# Altium PCB PCB1.PcbDoc
Units mm, origin at the board's own origin, x right, y up, seen from the top; angles counter-clockwise.
Board outline 46 x 80 mm, 2 copper layers (Top Layer, Bottom Layer); 9 components, 3 nets, 65 pads, 0 vias.
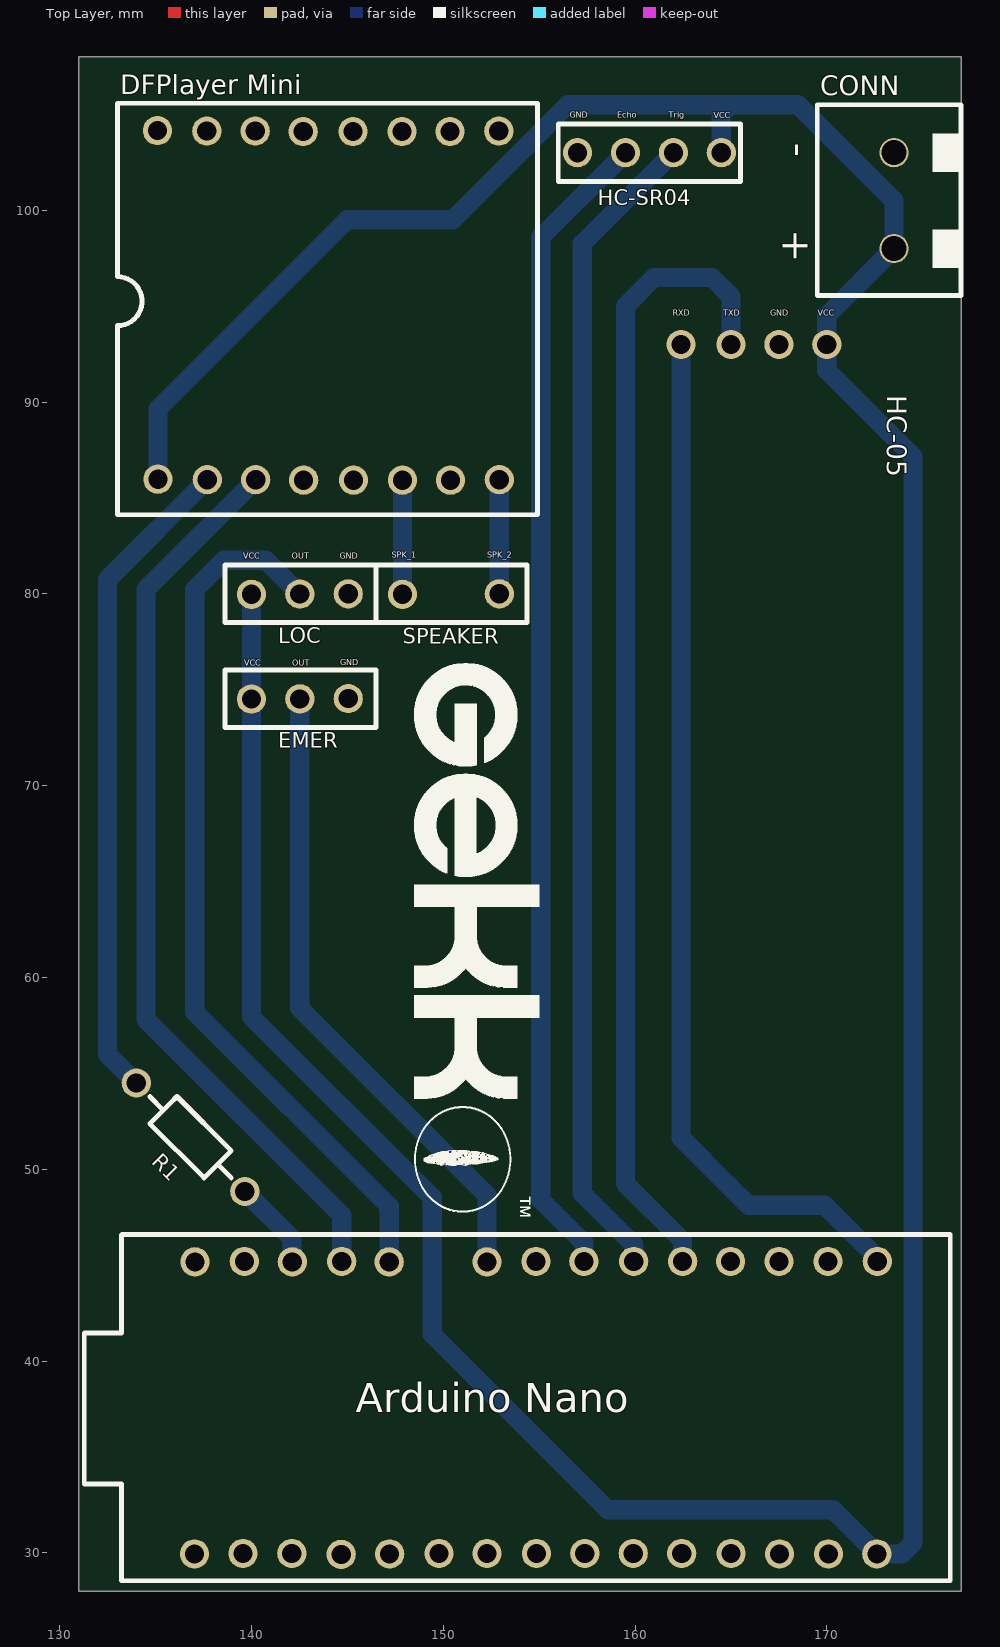
[diagram p0: Top Layer view]
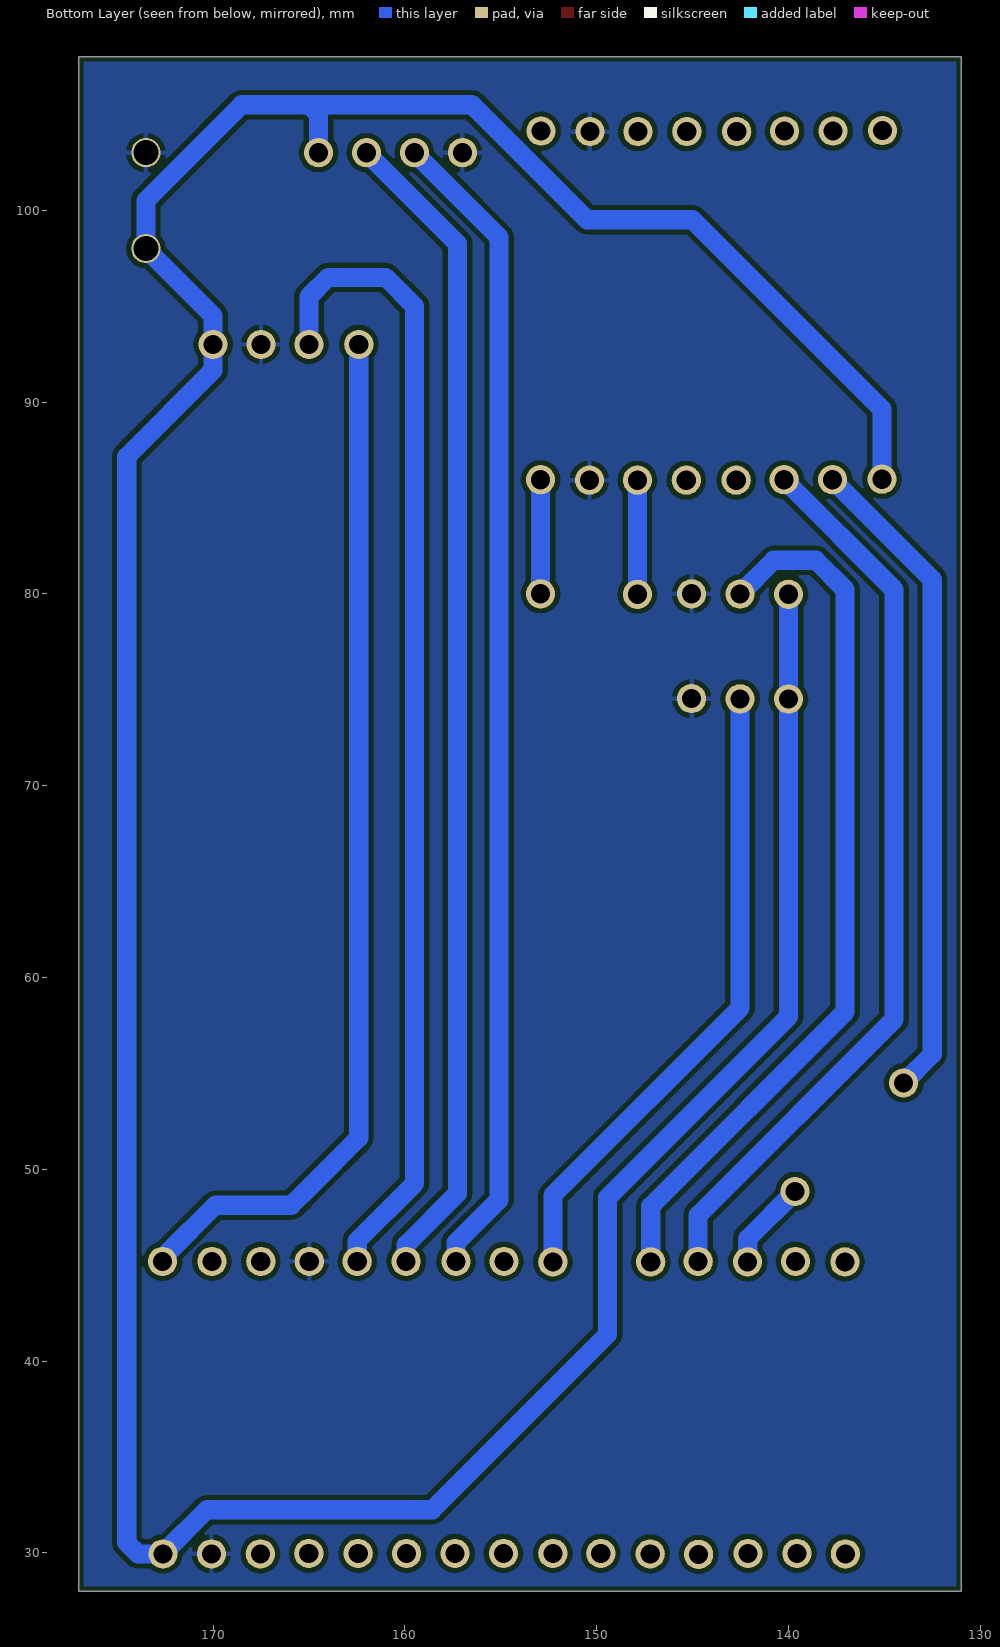
[diagram p1: Bottom Layer view, seen from below]

## Layer stack, top to bottom
Top Solder: solder mask 0.0102, Solder Resist, Dk 3.5
Top Layer: signal copper 0.07
Dielectric 1: dielectric 0.32, FR-4, Dk 4.8
Bottom Layer: signal copper 0.07
Bottom Solder: solder mask 0.0102, Solder Resist, Dk 3.5

## Board outline
131,28 131,108 177,108 177,28

## Design rules (kind name [scope] priority, off if disabled: settings)
Clearance [All] p1: gap=0.254 ignorepadtopadclearanceinfootprint=FALSE except(0: Arc-Hole Track-Hole SMDPad-Hole THPad-Hole Via-Hole Fill-Hole Poly-Hole Region-Hole Text-Hole)
PolygonConnect [All] p1: connectstyle=Relief reliefconductorwidth=0.254 reliefentries=4 polygonreliefangle="90 Angle" airgapwidth=0.254
RoutingVias [All] p1: holewidth=0.711 width=1.27 viastyle="Through Hole" minholewidth=0.711 minwidth=1.27 maxholewidth=0.711 maxwidth=1.27
SolderMaskExpansion [All] p1: expansion=0.102 istentingtop=FALSE
Width [All] p1: maxlimit=1.5 minlimit=0.254 preferedwidth=1 toplayer_maxwidth=0.254 toplayer_prefwidth=0.254 minimp=50.000000 maximp=50.000000 favimp=50.000000
30 further rules are at their usual default settings.

## Components (designator, comment, footprint, x,y, rotation, side; value= is the part's Value field where it differs from the comment)
* "DFPLAYER" DFPLAYER 137.4,88.025 r0 top
* "" Bluetooth 159.5,105.8 r90 top
CONN "" CONN2 173.5,100.5 r90 top (schematic designator J?)
R1 "330R" 330RES 136.121,55.207 r45 top (schematic designator R?)
? "Comment" "Arduino NANO" 678.433,287.572 r90 top
? "Comment" LOC 375.875,166.25 r0 top
? "Comment" EMER 565.125,-151.462 r0 top
? "Comment" ALTAVOZ 393.375,133.275 r0 top
? "Comment" HC-SR04 160.5,103 r0 top

## Footprints (in the part's own frame and the unit in brackets; to place one, negate y for a bottom-side part, rotate by r counter-clockwise, add the part's x,y. Pads: shape width x height; smd on the part's side, far side on the other; paste and mask are expansions set on the pad)
330RES [mm]
  round 1.524 hole 1: 1(-2,1) 2(-2,-7)
  silkscreen extent -3,-6 -1,0, body extent -3.26,-7.25 -0.74,1.25, height 2.64
ALTAVOZ [mm]
  round 1.524 hole 1: 1(-245.5,-53.3) 2(-240.45,-53.275)
  silkscreen extent -246.88,-54.78 -239,-51.77, body extent -246.75,-54.57 -239.13,-52.03, height 9.2
"Arduino NANO" [mm]
  round 1.524 hole 1: 3V3(-257.6,538.875) 5V(-257.6,513.425) A0(-257.65,533.75) A1(-257.625,531.225) A2(-257.6,528.65) A3(-257.6,526.15) A4(-257.6,523.575) A5(-257.6,521.05) A6(-257.6,518.525) A7(-257.6,516) D2(-242.375,515.95) D3(-242.375,518.5) D4(-242.375,521.1) D5(-242.375,523.6) D6(-242.4,526.15) D8(-242.4,531.25) D9(-242.375,533.725) D10(-242.4,536.3) D11(-242.375,538.8) D12(-242.4,541.375) D13(-257.625,541.4) REF(-257.6,536.325) RST(-257.625,510.9) RST(-242.375,510.925) RXD(-242.375,508.375) TX1(-242.375,505.8) ""(-257.625,505.825) ""(-257.625,508.35) ""(-242.375,513.45)
  silkscreen extent -259.03,502 -240.97,547.14, body extent -259,502 -241,547, height 12.4
Bluetooth [mm]
  round 1.524 hole 1: RXD(-12.8,-2.9) TXD(-12.8,-5.5) ""(-12.8,-10.5) ""(-12.8,-8)
  body extent -58.1,-14.6 -11.5,1.4, height 5.71
CONN2 [mm]
  round 1.524 hole 1.3: ""(-2.5,0) ""(2.5,0)
  silkscreen extent -4.95,-3.5 5,4, body extent -5,-3.5 5,4, height 10.2
DFPLAYER [mm]
  round 1.524 hole 1: ADKEY_1(7.9,16.075) ADKEY_2(5.3,16.075) BUSY(-2.3,16.125) DAC_I(7.925,-2.1) DAC_R(5.325,-2.1) IO_1(15.5,16.1) IO_2(10.45,16.075) RX(0.3,-2.075) SPK_1(10.475,-2.1) SPK_2(15.525,-2.075) TX(2.825,-2.075) "USB -"(0.275,16.1) USB+(2.8,16.1) ""(-2.275,-2.05) ""(12.95,16.075) ""(12.975,-2.1)
  silkscreen extent -4.38,-3.9 17.53,17.55, body extent -4.37,-3.9 17.57,17.61, height 5.67
EMER [mm]
  round 1.524 hole 1: OUT(-422.6,225.988) ""(-425.125,225.975) ""(-420.075,226)
  silkscreen extent -426.5,224.5 -418.62,227.5, body extent -426.37,224.71 -418.75,227.25, height 9.2
HC-SR04 [mm]
  round 1.524 hole 1: Echo(-1,0) Trig(1.5,0) ""(-3.5,0) ""(4,0)
  silkscreen extent -4.5,-1.5 5,1.5, body extent -4.77,-1.46 5.31,1.46, height 8.51
LOC [mm]
  round 1.524 hole 1: OUT(-233.35,-86.262) ""(-235.875,-86.275) ""(-230.825,-86.25)
  silkscreen extent -237.25,-87.75 -229.37,-84.75, body extent -237.12,-87.55 -229.5,-85.01, height 9.2

## Part data
*: library part Bluetooth
CONN: library part Bornera

## Nets (pads, with @x,y where several pads share a name; then routed paths per layer and width w, separated by ;. In a path a pad name is that pad's centre, name@x,y a point inside that pad or via, vN(x,y) a via of type N, cw(c..) or ccw(c..) an arc to the next point about the centre after c; other vN are vias at no path point)
GND: *.@150.35,104.1 *.@150.375,85.925 *.@167.5,93 ?.@145.05,74.538 ?.@145.05,80 ?.@157,103 ?.@164.983,45.197 ?.@170.083,29.947 CONN.@173.5,103
Net*: 
VCC: *.@135.125,85.975 *.@170,93 ?.@140,74.513 ?.@140,79.975 ?.@164.5,103 ?.@172.608,29.947 CONN.@173.5,98 | length 199.2
  Bottom Layer w1: *.@135.125,85.975 135.125,89.625 145,99.5 150.5,99.5 156.5,105.5 164.5,105.5 165,105.5 ; ?.@140,79.975 140,74.513 140,57.958 149.428,48.53 149.428,41.397 158.575,32.25 170.321,32.25 172.608,29.963 172.608,29.947 173.914,29.947 174.5,30.533 174.5,87.15 170,91.65 170,93 170,94.5 173.5,98 173.5,100.5 168.5,105.5 165,105.5 ; ?.@164.5,103 164.5,105 165,105.5
pads on no net: "*.USB -" *.ADKEY_1 *.ADKEY_2 *.BUSY *.DAC_I *.DAC_R *.IO_1 *.IO_2 *.RX *.RXD *.SPK_1 *.SPK_2 *.TX *.TXD *.USB+ ?.1 ?.2 ?.3V3 ?.5V ?.A0 ?.A1 ?.A2 ?.A3 ?.A4 ?.A5 ?.A6 ?.A7 ?.D2 ?.D3 ?.D4 ?.D5 ?.D6 ?.D8 ?.D9 ?.D10 ?.D11 ?.D12 ?.D13 ?.Echo ?.OUT ?.REF ?.RST ?.RXD ?.Trig ?.TX1 R1.1 R1.2
copper on no net: | length 413.5
  Bottom Layer w1: 134,54.5 132.5,56 132.5,80.75 137.7,85.95 ; 139.657,48.843 142.125,46.375 142.125,45.18 142.133,45.172 ; 140.225,85.95 134.5,80.225 134.5,57.811 144.708,47.602 144.708,45.197 ; 142.525,74.525 142.525,58.399 152.283,48.641 152.283,45.172 ; 142.525,79.988 140.763,81.75 138.575,81.75 137.05,80.225 137.05,58.2 147.183,48.067 147.183,45.172 ; 147.875,79.975 147.875,85.925 ; 152.925,80 152.925,85.95 ; 157.333,45.197 157.333,46.167 155.086,48.414 155.086,98.586 159.5,103 ; 159.933,45.197 159.933,46.067 157.25,48.75 157.25,98.25 162,103 ; 162.4,93 162.4,77.65 162.4,51.638 164.893,49.145 165.916,48.122 169.878,48.122 172.371,45.629 172.371,45.601 172.633,45.339 172.633,45.197 ; 162.483,45.197 162.483,46.267 159.5,49.25 159.5,77.225 159.5,95 161,96.5 164,96.5 165,95.5 165,93

## Polygon pours and split planes (outlines as drawn)
GND on Bottom Layer "GND_L02_P013" (solid, pour order 13): 131.25,107.75 176.75,107.75 176.75,28.25 131.25,28.25
no net on Bottom Layer "NONET_L02_P015" (solid, pour order 15): 132,100.75
no net on Bottom Layer "NONET_L02_P014" (solid, pour order 14): 171.25,103
no net on Bottom Layer "NONET_L02_P012" (solid, pour order 12): 131.75,107.5
no net on Bottom Layer "NONET_L02_P011" (solid, pour order 11): 131.5,107.75
GND on Bottom Layer "GND_L02_P008" (solid, pour order 8): 184.5,93.5
no net on Bottom Layer "NONET_L02_P006" (solid, pour order 6): 164,108
no net on Bottom Layer "NONET_L02_P005" (solid, pour order 5): 187,75.5
no net on Bottom Layer "NONET_L02_P001" (solid, pour order 1): 131,55
no net on Bottom Solder (solid): 131.5,108

## Silkscreen, mask and mechanical layers (free items; w line width, h text height)
Top Overlay:
  drawing of 8 lines, arcs and shapes, not listed
  text "GND" at 156.605,104.83 h0.3
  text "Echo" at 159.08,104.83 h0.3
  text "Trig" at 161.755,104.83 h0.3
  text "VCC" at 164.105,104.805 h0.3
  text "SPK_1" at 147.33,81.88 h0.3
  text "SPK_2" at 152.305,81.88 h0.3
  text "VCC" at 139.58,81.83 h0.3
  text "OUT" at 142.093,81.83 h0.3
  text "GND" at 144.6,81.841 h0.3
  text "GND" at 144.64,76.265 h0.3
  text "VCC" at 139.621,76.255 h0.3
  text "OUT" at 142.133,76.255 h0.3
Bottom Solder:
  pour cut-out: 182.5,67

## Text inside footprints (layer, text, board x,y; h text height)
*: Top Overlay "HC-05" at 173.15,90.35 h1 r270; Top Overlay "VCC" at 169.53,94.51 h0.3; Top Overlay "GND" at 167.044,94.51 h0.3; Top Overlay "TXD" at 164.607,94.51 h0.3; Top Overlay "RXD" at 161.976,94.51 h0.3
*: Top Overlay "DFPlayer Mini" at 133.175,106.058 h1
CONN: Top Overlay "+" at 169,97.254 h1.52 r90; Top Overlay "-" at 169.008,102.754 h1.52 r90
?: Top Overlay "Arduino Nano" at 145.437,37.326 h1.52
?: Top Overlay "LOC" at 141.4,77.425 h0.8
?: Top Overlay "EMER" at 141.4,71.963 h0.8
?: Top Overlay "SPEAKER" at 147.9,77.4 h0.8
?: Top Overlay "HC-SR04" at 158.05,100.25 h0.8